# KiCad board panel-16.kicad_pcb (continued)
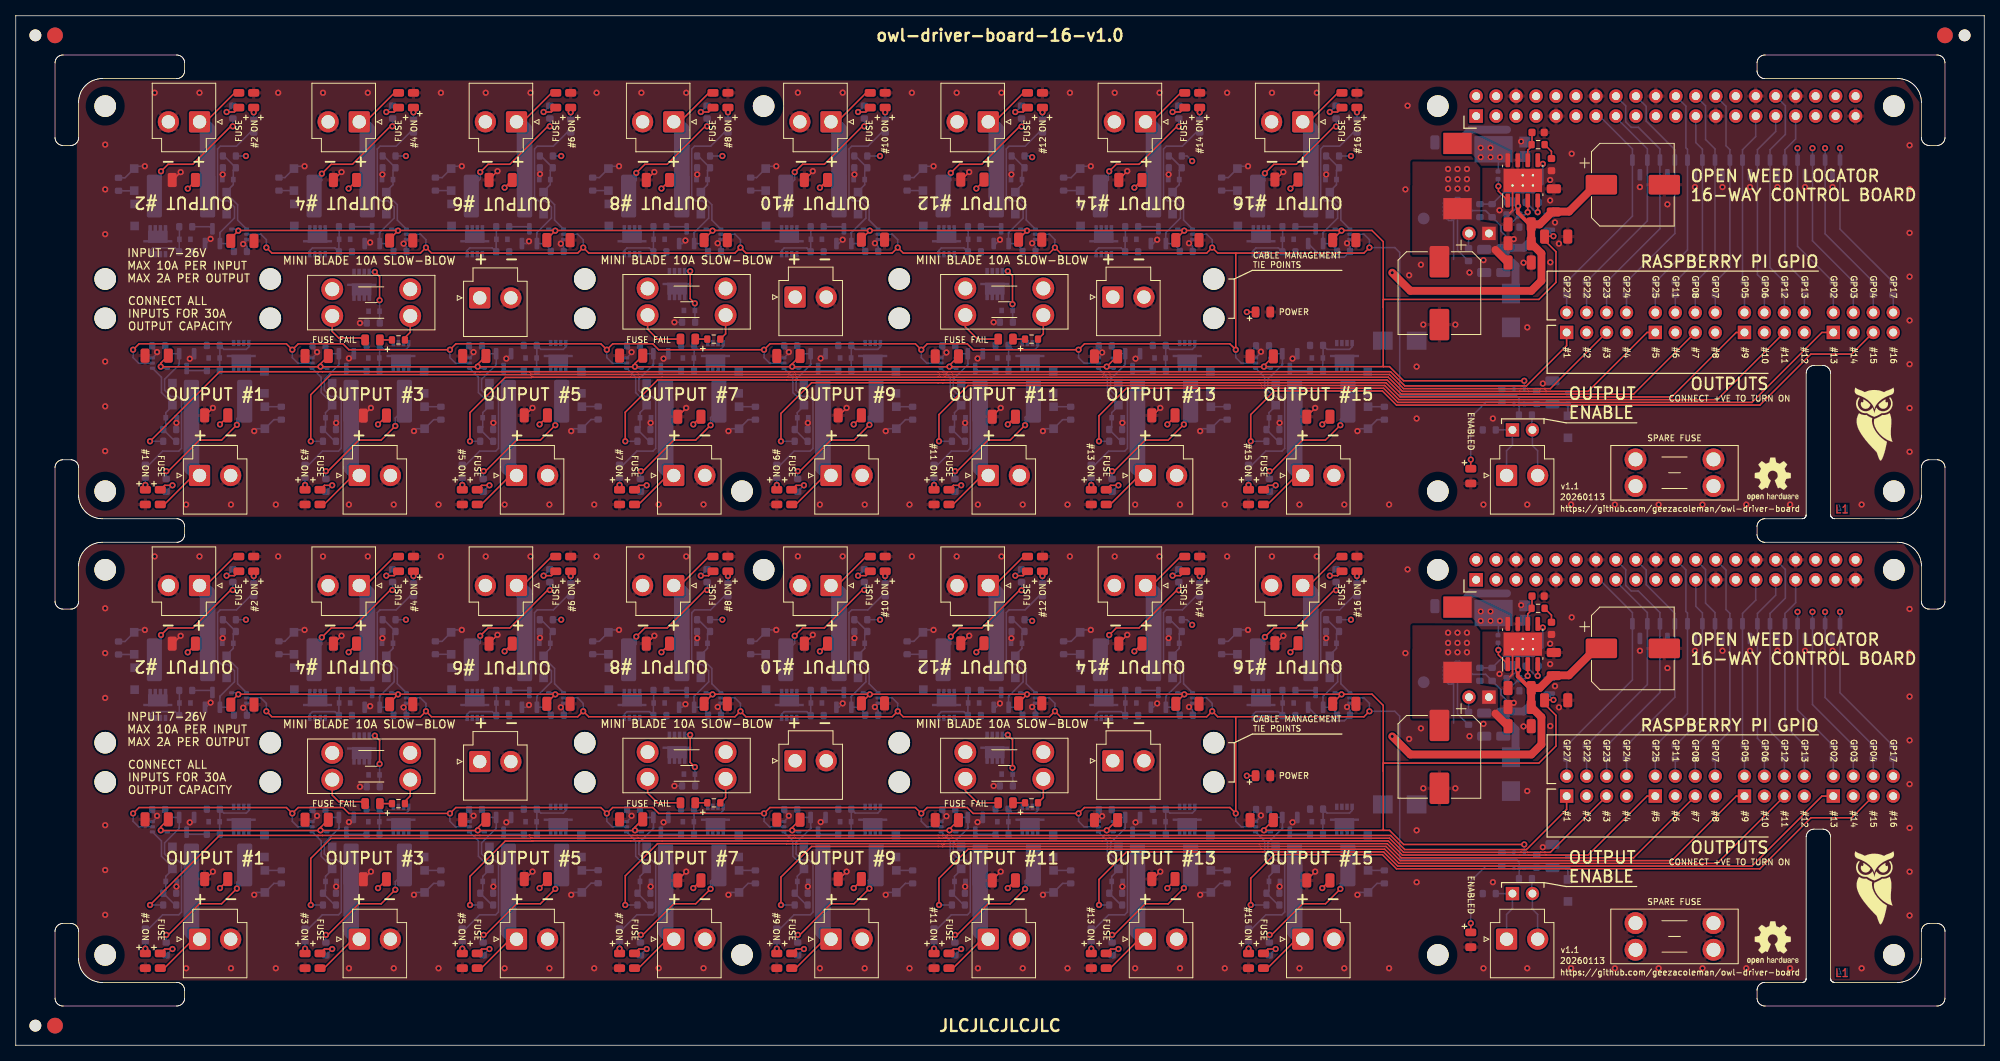
[diagram p0: board, top side]
## Routing (per net, layer and track width the routed paths; a pad name or vN(x,y) marks a point on that pad's centre or on a via; arc(x,y) is an arc through that point) (continued)
Board_0-Net-(D114-A): length 0.9
  Bottom w0.2: R131#2.1 v1(156.8,71.3)
Board_0-Net-(D118-A): length 2.8
  Top w0.2: v1(160.25,71.25) 159.26,71.25 D118.2
  Bottom w0.2: 159.55,70.55 v1(160.25,71.25)
Board_0-Net-(D119-A): length 11.2
  Bottom w0.2: 167.14,108.65 167.99,109.5 D120.1 167.99,111.33 R137#2.2 166.81,113.15 ; U22.1 168.54,105 168.54,106.95 167.14,108.35
Board_0-Net-(D121-A): length 0.9
  Bottom w0.2: R138.1 v1(170.59,118.7)
Board_0-Net-(D125-A): length 2.8
  Top w0.2: D125.2 168.12,118.75 v1(167.14,118.75)
  Bottom w0.2: 167.84,119.45 v1(167.14,118.75)
Board_0-Net-(D132-A): length 1.5
  Top w0.2: R26.1 D132#2.2
Board_0-Net-(D132-K): length 6.3
  Top w0.2: D132#2.1 122.33,89.85 120.78,91.4 F19.2
Board_0-Net-(D133-A): length 7.4
  Top w0.2: v1(126.78,94.3) 126.78,97.9 v1(126.18,98.5)
  Bottom w0.2: Q35#2.1 126.17,98.51 v1(126.18,98.5) ; D133.2 126.8,92.03 ; v1(126.78,94.3) 126.78,93.52
Board_0-Net-(J2-CE0): length 25.7
  Bottom w0.2: R33.1 216.13,99.6 D127.1 216.13,114.05 214.93,115.25 214.93,119.53 J2.24
Board_0-Net-(J2-CE1): length 25.2
  Bottom w0.2: R32.1 218.03,99 D127.2 218.03,113.95 217.53,114.45 217.53,119.47 J2.26
Board_0-Net-(J2-GP5): length 21.6
  Bottom w0.2: J2.29 221.31,115.63 219.63,113.95 D131.1 219.63,97.36
Board_0-Net-(J2-GP6): length 22.5
  Bottom w0.2: R145#2.1 221.53,98.06 D131.2 221.53,113.95 223.85,116.27 J2.31
Board_0-Net-(J2-GP12): length 25.7
  Bottom w0.2: R144#2.1 223.13,98.96 D130#2.1 223.13,113.95 225.08,115.9 225.08,119.54 J2.32
Board_0-Net-(J2-GP13): length 22.7
  Bottom w0.2: J2.33 226.39,115.31 225.03,113.95 D130#2.2 225.03,99.66 R143.1
Board_0-Net-(J2-GP22): length 25.8
  Bottom w0.2: R29.1 207.53,104.9 D34#2.2 207.53,114.05 203.53,118.05
Board_0-Net-(J2-GP23): length 29.3
  Bottom w0.2: J2.16 204.78,119.52 204.78,117.5 205.48,116.8 206.38,116.8 209.13,114.05 D35#2.1 209.13,103.9 R30.1
Board_0-Net-(J2-GP24): length 28.3
  Bottom w0.2: R31.1 211.03,103.3 D35#2.2 211.03,113.95 207.38,117.6 207.38,119.46 J2.18
Board_0-Net-(J2-GP25): length 25.9
  Bottom w0.2: R39#2.1 212.63,101.2 D126#2.1 212.63,114 212.43,114.2 212.43,119.49 J2.22
Board_0-Net-(J2-GP27): length 26.3
  Bottom w0.2: R38#2.1 205.63,105.5 D34#2.1 205.63,114.05 201.45,118.23
Board_0-Net-(J2-SCLK): length 22.9
  Bottom w0.2: J2.23 213.69,114.86 214.53,114.02 D126#2.2 214.53,100.6 R34#2.1
Board_0-Net-(J3-Pin_1): length 3
  Top w0.2: F1#2.1 50.18,90.73 49.5,90.05
Board_0-Net-(J10-Pin_1): length 8.2
  Bottom w0.2: R48#2.2 J11.1 190.37,76.4 189.62,75.65 J10#2.1
Board_0-Net-(J10-Pin_2): length 7.9
  Bottom w0.2: J11.2 192.91,76.31 193.57,75.65 193.57,72.51 ; R49#2.1 192.84,78.37
Board_0-Net-(J24-Pin_1): length 3.3
  Top w0.2: R24.2 90.29,90.53 F18.1
Board_0-Net-(J26-Pin_1): length 3.3
  Top w0.2: R26.2 130.7,90.53 F19.1
Board_0-Net-(Q4-D): length 2.7
  Bottom w0.2: R6#2.1 22,85.85 Q4#2.3
Board_0-Net-(Q4-G): length 22.7
  Bottom w0.2: U5.4 19.82,87.99 ; 19.82,87.99 19,88.81 ; 19.82,87.99 Q4#2.1 ; 20.8,86.75 20.8,86.59 ; 20.8,86.75 20.8,87.98 ; 20.8,86.75 20.8,86.61 18.94,84.75 18.94,83.35 19.74,82.55 20.59,82.55 21.09,82.05 21.09,75.95 20.74,75.6 18.69,75.6 16.94,73.85 16.51,73.85
Board_0-Net-(Q5-D): length 2.7
  Bottom w0.2: Q5#2.3 24.76,104.15 R7#2.1
Board_0-Net-(Q5-G): length 22.7
  Bottom w0.2: 30.25,116.15 29.82,116.15 28.07,114.4 26.02,114.4 25.67,114.05 25.67,107.95 26.17,107.45 27.02,107.45 27.82,106.65 27.82,105.25 25.96,103.39 25.96,103.25 ; 25.96,103.25 25.96,103.41 ; 25.96,103.25 25.96,102.02 ; U6.4 26.93,102.01 ; 26.93,102.01 Q5#2.1 ; 26.93,102.01 27.75,101.19
Board_0-Net-(Q6-D): length 2.7
  Bottom w0.2: Q6.3 42.31,85.85 R16#2.1
Board_0-Net-(Q6-G): length 22.6
  Bottom w0.2: 41.11,86.75 41.11,86.59 ; 41.11,86.75 41.11,86.61 39.25,84.75 39.25,83.35 40.05,82.55 40.9,82.55 41.4,82.05 41.4,75.95 41.05,75.6 39,75.6 37.25,73.85 36.83,73.85 ; 41.11,86.75 41.11,87.98 ; 39.4,88.72 40.14,87.99 ; 40.14,87.99 U7.4 ; 40.14,87.99 Q6.1
Board_0-Net-(Q8-D): length 2.7
  Bottom w0.2: R21.1 45.07,104.15 Q8#2.3
Board_0-Net-(Q8-G): length 22.7
  Bottom w0.2: U10#2.4 47.25,102.01 ; 47.25,102.01 Q8#2.1 ; 47.25,102.01 48.05,101.21 ; 46.27,103.25 46.27,103.39 48.14,105.25 48.14,106.65 47.34,107.45 46.49,107.45 45.99,107.95 45.99,114.05 46.34,114.4 48.39,114.4 50.14,116.15 50.56,116.15 ; 46.27,103.25 46.27,102.02 ; 46.27,103.25 46.27,103.41
Board_0-Net-(Q10-D): length 2.7
  Bottom w0.2: R64#2.1 62.31,85.85 Q10#2.3
Board_0-Net-(Q10-G): length 22.7
  Bottom w0.2: 60.14,87.99 Q10#2.1 ; 60.14,87.99 U11.4 ; 60.14,87.99 59.3,88.82 ; 56.83,73.85 57.25,73.85 59,75.6 61.05,75.6 61.4,75.95 61.4,82.05 60.9,82.55 60.05,82.55 59.25,83.35 59.25,84.75 61.11,86.61 61.11,86.75 ; 61.11,86.75 61.11,86.59 ; 61.11,86.75 61.11,87.98
Board_0-Net-(Q12-D): length 2.7
  Bottom w0.2: R71#2.1 65.07,104.15 Q12.3
Board_0-Net-(Q12-G): length 22.7
  Bottom w0.2: 67.25,102.01 Q12.1 ; 67.25,102.01 68.05,101.21 ; 67.25,102.01 U12.4 ; 66.27,103.25 66.27,103.39 68.14,105.25 68.14,106.65 67.34,107.45 66.49,107.45 65.99,107.95 65.99,114.05 66.34,114.4 68.39,114.4 70.14,116.15 70.56,116.15 ; 66.27,103.25 66.27,103.41 ; 66.27,103.25 66.27,102.02
Board_0-Net-(Q14-D): length 2.7
  Bottom w0.2: Q14#2.3 82.31,85.85 R78#2.1
Board_0-Net-(Q14-G): length 22.6
  Bottom w0.2: 81.11,86.75 81.11,86.61 79.25,84.75 79.25,83.35 80.05,82.55 80.9,82.55 81.4,82.05 81.4,75.95 81.05,75.6 79,75.6 77.25,73.85 76.83,73.85 ; 81.11,86.75 81.11,86.59 ; 81.11,86.75 81.11,87.98 ; 79.4,88.72 80.14,87.99 ; 80.14,87.99 U13.4 ; 80.14,87.99 Q14#2.1
Board_0-Net-(Q16-D): length 2.7
  Bottom w0.2: R85.1 85.07,104.15 Q16#2.3
Board_0-Net-(Q16-G): length 22.7
  Bottom w0.2: 87.25,102.01 Q16#2.1 ; 87.25,102.01 U14.4 ; 87.25,102.01 88.05,101.21 ; 86.27,103.25 86.27,103.39 88.14,105.25 88.14,106.65 87.34,107.45 86.49,107.45 85.99,107.95 85.99,114.05 86.34,114.4 88.39,114.4 90.14,116.15 90.56,116.15 ; 86.27,103.25 86.27,103.41 ; 86.27,103.25 86.27,102.02
Board_0-Net-(Q18-D): length 2.7
  Bottom w0.2: R92.1 102.31,85.85 Q18.3
Board_0-Net-(Q18-G): length 22.6
  Bottom w0.2: 99.4,88.72 100.14,87.99 ; 100.14,87.99 Q18.1 ; 100.14,87.99 U15.4 ; 101.11,86.75 101.11,86.59 ; 101.11,86.75 101.11,86.61 99.25,84.75 99.25,83.35 100.05,82.55 100.9,82.55 101.4,82.05 101.4,75.95 101.05,75.6 99,75.6 97.25,73.85 96.83,73.85 ; 101.11,86.75 101.11,87.98
Board_0-Net-(Q20-D): length 2.7
  Bottom w0.2: Q20.3 105.07,104.15 R99#2.1
Board_0-Net-(Q20-G): length 22.7
  Bottom w0.2: 106.27,103.25 106.27,103.41 ; 106.27,103.25 106.27,103.39 108.14,105.25 108.14,106.65 107.34,107.45 106.49,107.45 105.99,107.95 105.99,114.05 106.34,114.4 108.39,114.4 110.14,116.15 110.56,116.15 ; 106.27,103.25 106.27,102.02 ; 107.25,102.01 Q20.1 ; 107.25,102.01 108.05,101.21 ; 107.25,102.01 U16.4
Board_0-Net-(Q22-D): length 2.7
  Bottom w0.2: Q22#2.3 122.31,85.85 R106#2.1
Board_0-Net-(Q22-G): length 22.8
  Bottom w0.2: R104#2.2 119.5,88.62 120.14,87.99 ; 121.11,87.98 121.11,86.75 ; 121.11,86.75 121.11,86.61 119.25,84.75 119.25,83.35 120.05,82.55 120.9,82.55 121.4,82.05 121.4,75.95 121.05,75.6 119,75.6 117.25,73.85 116.83,73.85 ; 121.11,86.75 121.11,86.59 ; 120.14,87.99 Q22#2.1 ; 120.14,87.99 U17.4
Board_0-Net-(Q24-D): length 2.7
  Bottom w0.2: Q24.3 125.07,104.15 R113#2.1
Board_0-Net-(Q24-G): length 22.7
  Bottom w0.2: 126.27,103.25 126.27,103.41 ; 126.27,103.25 126.27,103.39 128.14,105.25 128.14,106.65 127.34,107.45 126.49,107.45 125.99,107.95 125.99,114.05 126.34,114.4 128.39,114.4 130.14,116.15 130.56,116.15 ; 126.27,103.25 126.27,102.02 ; U18#2.4 127.25,102.01 ; 127.25,102.01 128.05,101.21 ; 127.25,102.01 Q24.1
Board_0-Net-(Q26-D): length 2.7
  Bottom w0.2: R120#2.1 142.31,85.85 Q26#2.3
Board_0-Net-(Q26-G): length 22.6
  Bottom w0.2: U19.4 140.14,87.99 ; 140.14,87.99 139.4,88.72 ; 140.14,87.99 Q26#2.1 ; 141.11,87.98 141.11,86.75 ; 141.11,86.75 141.11,86.61 139.25,84.75 139.25,83.35 140.05,82.55 140.9,82.55 141.4,82.05 141.4,75.95 141.05,75.6 139,75.6 137.25,73.85 136.83,73.85 ; 141.11,86.75 141.11,86.59
Board_0-Net-(Q28-D): length 2.7
  Bottom w0.2: Q28#2.3 145.07,104.15 R127.1
Board_0-Net-(Q28-G): length 22.7
  Bottom w0.2: 148.05,101.21 147.25,102.01 ; 147.25,102.01 Q28#2.1 ; 147.25,102.01 U20.4 ; 146.27,102.02 146.27,103.25 ; 146.27,103.25 146.27,103.39 148.14,105.25 148.14,106.65 147.34,107.45 146.49,107.45 145.99,107.95 145.99,114.05 146.34,114.4 148.39,114.4 150.14,116.15 150.56,116.15 ; 146.27,103.25 146.27,103.41
Board_0-Net-(Q30-D): length 2.7
  Bottom w0.2: R134#2.1 162.31,85.85 Q30#2.3
Board_0-Net-(Q30-G): length 22.6
  Bottom w0.2: 159.4,88.72 160.14,87.99 ; 160.14,87.99 U21#2.4 ; 160.14,87.99 Q30#2.1 ; 161.11,87.98 161.11,86.75 ; 161.11,86.75 161.11,86.61 159.25,84.75 159.25,83.35 160.05,82.55 160.9,82.55 161.4,82.05 161.4,75.95 161.05,75.6 159,75.6 157.25,73.85 156.83,73.85 ; 161.11,86.75 161.11,86.59
Board_0-Net-(Q32-D): length 2.7
  Bottom w0.2: Q32#2.3 165.07,104.15 R141#2.1
Board_0-Net-(Q32-G): length 22.7
  Bottom w0.2: 166.27,103.25 166.27,103.41 ; 166.27,103.25 166.27,102.02 ; 166.27,103.25 166.27,103.39 168.14,105.25 168.14,106.65 167.34,107.45 166.49,107.45 165.99,107.95 165.99,114.05 166.34,114.4 168.39,114.4 170.14,116.15 170.56,116.15 ; 167.25,102.01 Q32#2.1 ; 167.25,102.01 168.05,101.21 ; 167.25,102.01 U22.4
Board_0-Net-(R55-Pad2): length 1.5
  Bottom w0.2: U8#2.4 189.04,83.5
Board_0-Net-(U3-EN): length 6.3
  Bottom w0.2: U3.1 183.38,101.18 R46.1
Board_0-PI1: length 2.2
  Bottom w0.2: J6.2 197.26,95.48
Board_0-PI2: length 2.2
  Bottom w0.2: J6.4 199.8,95.44
Board_0-PI3: length 2.2
  Bottom w0.2: J6.6 202.34,95.46
Board_0-PI4: length 2.2
  Bottom w0.2: J6.8 204.88,95.46
Board_0-PI5: length 2.2
  Bottom w0.2: J25.2 208.54,95.46
Board_0-PI6: length 2.2
  Bottom w0.2: J25.4 211.08,95.46
Board_0-PI7: length 2.2
  Bottom w0.2: J25.6 213.62,95.44
Board_0-PI8: length 2.2
  Bottom w0.2: J25.8 216.16,95.48
Board_0-PI9: length 2.2
  Bottom w0.2: J27#2.2 219.88,95.46
Board_0-PI10: length 2.2
  Bottom w0.2: J27#2.4 222.42,95.44
Board_0-PI11: length 2.2
  Bottom w0.2: J27#2.6 224.96,95.48
Board_0-PI12: length 2.2
  Bottom w0.2: J27#2.8 227.5,95.42
Board_0-PI13: length 2.2
  Bottom w0.2: J29.2 231.18,95.46
Board_0-PI14: length 2.2
  Bottom w0.2: J29.4 233.72,95.44
Board_0-PI15: length 2.2
  Bottom w0.2: J29.6 236.26,95.48
Board_0-PI16: length 2.2
  Bottom w0.2: J29.8 238.8,95.44
Board_0-VCC: length 67.9
  Top w0.2: C11.1 v1(62.18,109.13) ; 83.1,109.99 v1(82.13,109.01) ; C15#2.1 v1(86.18,79) ; C1.1 v1(166.18,79) ; 107.58,80 v1(106.58,79) ; v1(102.28,109.13) C16#2.1 ; 147.48,80 v1(146.48,79) ; C12#2.1 v1(142.28,109.13) ; C3#2.1 v1(126.18,79) ; 26.98,80 v1(25.98,79) ; 163.1,109.99 v1(162.13,109.01) ; 47.08,80 v1(46.08,79) ; 123.15,109.99 v1(122.18,109.01) ; 43.32,109.99 v1(42.34,109.01) ; 67.63,80 v1(66.63,79) ; 22.85,109.98 v1(21.88,109)
  Top w0.5: U1#2.2 191.04,105.96 192.55,104.45 C6.1
  Top w1: 195.5,106.03 195.4,106.03 193.83,104.45 C6.1 C18#2.1 194.05,100.75 194.05,97.28 192.78,96 177.38,96 v1(175.08,98.3) ; C8.1 200.98,109.5 197.55,106.08 195.58,106.08 C5.1
  Bottom w0.2: v1(191.09,106.77) 189.96,105.65 R41.2
  Bottom w0.5: 190.58,107.28 v1(191.09,106.77)
Board_1-+3V3: length 412.5
  Top w0.2: v1(195.58,43.95) 194.5,43.95 C30.1 194.45,43.43 195.9,41.98 195.9,38.08 193.73,35.9 173.93,35.9 173.93,34.9 ; 173.98,27.35 174.73,27.35 176.53,25.55 v1(191.87,25.55) ; 173.98,27.35 173.93,27.4 173.93,34.9 ; 173.98,27.35 v1(158.76,27.35) ; v1(68.63,44.65) 67.55,43.58 C35.1 ; v1(68.63,44.65) 68.65,44.68 88.6,44.68 v1(88.63,44.65) ; v1(68.63,44.65) 68.6,44.68 48.65,44.68 v1(48.63,44.65) ; C37#2.1 87.55,43.58 v1(88.63,44.65) ; C31#2.1 27.35,43.69 v1(28.31,44.65) 28.34,44.68 48.6,44.68 v1(48.63,44.65) ; v1(38.76,27.35) 38.79,27.32 58.73,27.32 v1(58.76,27.35) ; v1(38.76,27.35) 38.73,27.32 18.47,27.32 v1(18.45,27.35) 18.45,27.79 C29.1 ; v1(38.76,27.35) 38.76,27.71 C32.1 ; C36.1 78.76,27.76 v1(78.76,27.35) ; v1(148.63,44.65) 147.55,43.58 C43.1 ; v1(148.63,44.65) 148.6,44.68 128.65,44.68 v1(128.63,44.65) ; v1(148.63,44.65) 148.65,44.68 168.6,44.68 v1(168.63,44.65) ; v1(48.63,44.65) 47.55,43.58 C33#2.1 ; C38.1 98.76,27.71 v1(98.76,27.35) ; C41.1 127.55,43.58 v1(128.63,44.65) ; C39.1 107.55,43.58 v1(108.63,44.65) ; v1(138.76,27.35) 138.79,27.32 158.73,27.32 v1(158.76,27.35) ; v1(138.76,27.35) 138.73,27.32 118.79,27.32 v1(118.76,27.35) ; v1(138.76,27.35) 140.06,28.65 C42#2.1 ; v1(158.76,27.35) 158.76,27.46 C44.1 ; v1(108.63,44.65) 108.65,44.68 128.6,44.68 v1(128.63,44.65) ; v1(108.63,44.65) 108.6,44.68 88.65,44.68 v1(88.63,44.65) ; v1(58.76,27.35) 58.79,27.32 78.73,27.32 v1(78.76,27.35) ; v1(58.76,27.35) 58.76,27.66 C34.1 ; 173.93,34.9 173.93,43.25 172.5,44.68 168.65,44.68 v1(168.63,44.65) ; v1(78.76,27.35) 78.79,27.32 98.73,27.32 v1(98.76,27.35) ; C45#2.1 167.5,43.53 v1(168.63,44.65) ; v1(118.76,27.35) 118.76,27.51 C40#2.1 ; v1(118.76,27.35) 118.73,27.32 98.79,27.32 v1(98.76,27.35)
  Bottom w0.2: U20#2.5 148.43,44.85 v1(148.63,44.65) ; v1(138.76,27.35) 138.96,27.15 U19#2.5 ; U5#2.5 18.65,27.15 v1(18.45,27.35) ; U15#2.5 98.96,27.15 v1(98.76,27.35) ; U17#2.5 118.96,27.15 v1(118.76,27.35) ; v1(28.31,44.65) 28.11,44.85 U6#2.5 ; v1(191.87,25.55) U8.5 ; v1(78.76,27.35) 78.96,27.15 U13#2.5 ; U21.5 158.96,27.15 v1(158.76,27.35) ; U11#2.5 58.96,27.15 v1(58.76,27.35) ; v1(48.63,44.65) 48.43,44.85 U10.5 ; v1(108.63,44.65) 108.43,44.85 U16#2.5 ; v1(88.63,44.65) 88.43,44.85 U14#2.5 ; v1(195.58,43.95) 195.05,44.48 U9.2 ; v1(38.76,27.35) 38.96,27.15 U7#2.5 ; U18.5 128.43,44.85 v1(128.63,44.65) ; v1(168.63,44.65) 168.43,44.85 U22#2.5 ; U12#2.5 68.43,44.85 v1(68.63,44.65)
Board_1-+5V: length 15.6
  Top w1: C14#2.1 188.2,42.2
  Bottom w0.2: U9.3 192.38,44.9 192.38,43.04
  Bottom w1: 188.78,42.48 191.82,42.48 192.38,43.04 ; 189.2,42.28 189.2,41.74 190.75,40.19 190.75,37.23 D16.1
  vias: v1(182.18,52.5) v1(182.18,51.2) v1(182.18,50) v1(183.38,52.5) v1(183.38,51.2) v1(183.38,50) v1(184.58,52.5) v1(184.58,51.2) v1(184.58,50)
Board_1-/BOOT: length 3.2
  Top w0.2: v1(188.58,50.3) 188.58,49.68 U1.1
  Bottom w0.2: C17.1 188.58,51.17 v1(188.58,50.3)
Board_1-/COMP: length 3.5
  Top w0.2: 192.78,55.35 192.31,54.89 U1.6 ; C22.1 192.85,55.65 R44.1
Board_1-/EN: length 5.2
  Top w0.2: U1.3 192.31,46.71
  Bottom w0.2: 189.7,45.1 R41#2.1 191.95,46.65 v1(192.3,47)
Board_1-/Output chain 1/DRAIN: length 15.8
  Top w0.2: v1(28.13,19.95) 26.18,18 23.35,18 19.41,14.05 v1(19.16,14.05)
  Bottom w0.2: 19.13,13.08 19.13,14.02 v1(19.16,14.05) ; 28.47,21.09 28.13,20.75 v1(28.13,19.95) ; R154#2.2 D10.1
Board_1-/Output chain 1/GATE: length 7.4
  Bottom w0.2: 25.94,26.75 25.94,28.33 ; 29.66,30.1 29.66,29.88 29.34,29.55 26.46,29.55 R2.1 ; 25.96,28.35 25.96,29.95
Board_1-/Output chain 1/OUTPUT+: length 14.7
  Top w0.2: 18.9,9.81 22.34,13.25
  Bottom w2: J4.1 22.35,14.53 F2.2
Board_1-/Output chain 2/DRAIN: length 15.6
  Top w0.2: v1(18.48,52.2) 19.38,53.1 22.53,53.1 27.35,57.93 v1(27.6,57.93)
  Bottom w0.2: 27.63,58.9 27.63,57.95 v1(27.6,57.93) ; v1(18.48,52.2) 18.48,51.1 ; D11#2.1 15.05,49.73 R155.2
Board_1-/Output chain 2/GATE: length 7.4
  Bottom w0.2: 20.82,45.25 20.82,43.68 ; 17.1,41.9 17.1,42.13 17.42,42.45 20.3,42.45 R3#2.1 ; 20.8,43.65 20.8,42.05
Board_1-/Output chain 2/OUTPUT+: length 14.7
  Top w0.2: 27.85,62.19 24.42,58.76
  Bottom w2: F3.2 24.41,57.47 J5.1
Board_1-/Output chain 3/DRAIN: length 16
  Top w0.2: v1(48.28,19.8) 46.48,18 43.65,18 39.71,14.05 v1(39.46,14.05)
  Bottom w0.2: R156.2 D18#2.1 ; 39.43,13.08 39.43,14.02 v1(39.46,14.05) ; 48.77,21.31 48.28,20.82 v1(48.28,19.8)
Board_1-/Output chain 3/GATE: length 7.4
  Bottom w0.2: 46.28,28.35 46.28,29.95 ; 49.98,30.1 49.98,29.88 49.65,29.55 46.78,29.55 R15#2.1 ; 46.25,26.75 46.25,28.33
Board_1-/Output chain 3/OUTPUT+: length 14.7
  Top w0.2: 39.22,9.81 42.65,13.25
  Bottom w2: F4#2.2 42.66,14.53 J7.1
Board_1-/Output chain 4/DRAIN: length 15.7
  Top w0.2: v1(47.9,57.93) 47.65,57.93 42.83,53.1 40.13,53.1 v1(38.93,51.9)
  Bottom w0.2: 38.59,50.71 38.93,51.05 v1(38.93,51.9) ; R157.2 D23.1 ; 47.93,58.9 47.93,57.95 v1(47.9,57.93)
Board_1-/Output chain 4/GATE: length 7.4
  Bottom w0.2: R20.1 40.61,42.45 37.74,42.45 37.41,42.13 37.41,41.9 ; 41.11,43.65 41.11,42.05 ; 41.14,45.25 41.14,43.68
Board_1-/Output chain 4/OUTPUT+: length 14.7
  Top w0.2: 48.17,62.19 44.74,58.76
  Bottom w2: F5#2.2 44.72,57.47 J8#2.1
Board_1-/Output chain 5/DRAIN: length 15.7
  Top w0.2: v1(68.63,19.9) 66.73,18 63.7,18 59.76,14.05 v1(59.51,14.05)
  Bottom w0.2: 68.82,20.94 68.63,20.75 v1(68.63,19.9) ; 59.48,13.08 59.48,14.02 v1(59.51,14.05) ; 74.08,22.28 72.03,22.28 D28#2.1
Board_1-/Output chain 5/GATE: length 7.4
  Bottom w0.2: 66.25,26.75 66.25,28.33 ; 66.28,28.35 66.28,29.95 ; R52#2.1 66.78,29.55 69.65,29.55 69.98,29.88 69.98,30.1
Board_1-/Output chain 5/OUTPUT+: length 14.7
  Top w0.2: 59.22,9.81 62.65,13.25
  Bottom w2: J12.1 62.66,14.53 F6#2.2
Board_1-/Output chain 6/DRAIN: length 15.8
  Top w0.2: v1(67.93,57.93) 67.68,57.93 62.85,53.1 60.08,53.1 v1(59.08,52.1)
  Bottom w0.2: v1(59.08,52.1) 59.08,51.2 58.62,50.74 ; v1(67.93,57.93) 67.96,57.95 67.96,58.9 ; R159.2 D54#2.1
Board_1-/Output chain 6/GATE: length 7.4
  Bottom w0.2: R70#2.1 60.61,42.45 57.74,42.45 57.41,42.13 57.41,41.9 ; 61.14,45.25 61.14,43.68 ; 61.11,43.65 61.11,42.05
Board_1-/Output chain 6/OUTPUT+: length 14.7
  Top w0.2: 68.17,62.19 64.74,58.76
  Bottom w2: J13.1 64.72,57.47 F7#2.2
Board_1-/Output chain 7/DRAIN: length 16
  Top w0.2: v1(88.38,19.9) 86.48,18 83.7,18 79.76,14.05 v1(79.51,14.05)
  Bottom w0.2: v1(88.38,19.9) 88.38,20.87 88.82,21.31 ; R160#2.2 D61.1 ; v1(79.51,14.05) 79.48,14.02 79.48,13.08
Board_1-/Output chain 7/GATE: length 7.4
  Bottom w0.2: R77.1 86.78,29.55 89.65,29.55 89.98,29.88 89.98,30.1 ; 86.25,26.75 86.25,28.33 ; 86.28,28.35 86.28,29.95
Board_1-/Output chain 7/OUTPUT+: length 14.7
  Top w0.2: 79.22,9.81 82.65,13.25
  Bottom w2: J14#2.1 82.66,14.53 F8.2
Board_1-/Output chain 8/DRAIN: length 15.8
  Top w0.2: v1(87.93,57.93) 87.68,57.93 82.85,53.1 80.03,53.1 v1(78.93,52)
  Bottom w0.2: 78.62,50.74 78.93,51.05 v1(78.93,52) ; v1(87.93,57.93) 87.96,57.95 87.96,58.9 ; R161#2.2 D68.1
Board_1-/Output chain 8/GATE: length 7.4
  Bottom w0.2: 81.11,43.65 81.11,42.05 ; R84#2.1 80.61,42.45 77.74,42.45 77.41,42.13 77.41,41.9 ; 81.14,45.25 81.14,43.68
Board_1-/Output chain 8/OUTPUT+: length 14.7
  Top w0.2: 88.17,62.19 84.74,58.76
  Bottom w2: F9.2 84.72,57.47 J15.1
Board_1-/Output chain 9/DRAIN: length 16.2
  Top w0.2: v1(99.48,14.05) 99.73,14.05 103.68,18 106.63,18 v1(108.58,19.95)
  Bottom w0.2: R162#2.2 D75.1 ; v1(108.58,19.95) 108.43,20.1 108.43,20.95 108.79,21.31 ; v1(99.48,14.05) 99.45,14.02 R93.2
Board_1-/Output chain 9/GATE: length 7.4
  Bottom w0.2: 109.98,30.1 109.98,29.88 109.65,29.55 106.78,29.55 R91#2.1 ; 106.25,26.75 106.25,28.33 ; 106.28,28.35 106.28,29.95
Board_1-/Output chain 9/OUTPUT+: length 14.7
  Top w0.2: 99.22,9.81 102.65,13.25
  Bottom w2: J16#2.1 102.66,14.53 F10.2
Board_1-/Output chain 10/DRAIN: length 15.8
  Top w0.2: v1(107.93,57.93) 107.68,57.93 102.85,53.1 100.08,53.1 v1(99.08,52.1)
  Bottom w0.2: R163.2 D82.1 ; 107.96,58.9 107.96,57.95 v1(107.93,57.93) ; v1(99.08,52.1) 99.08,51.15 98.62,50.69
Board_1-/Output chain 10/GATE: length 7.4
  Bottom w0.2: 97.41,41.9 97.41,42.13 97.74,42.45 100.61,42.45 R98.1 ; 101.11,43.65 101.11,42.05 ; 101.14,45.25 101.14,43.68
Board_1-/Output chain 10/OUTPUT+: length 14.7
  Top w0.2: 108.17,62.19 104.74,58.76
  Bottom w2: J17#2.1 104.72,57.47 F11#2.2
Board_1-/Output chain 11/DRAIN: length 16.1
  Top w0.2: v1(119.48,14.05) 119.73,14.05 123.68,18 126.48,18 v1(128.38,19.9)
  Bottom w0.2: v1(119.48,14.05) 119.45,14.02 R107#2.2 ; v1(128.38,19.9) 128.38,20.9 128.79,21.31 ; R164#2.2 D89#2.1
Board_1-/Output chain 11/GATE: length 7.4
  Bottom w0.2: 129.98,30.1 129.98,29.88 129.65,29.55 126.78,29.55 R105#2.1 ; 126.28,28.35 126.28,29.95 ; 126.25,26.75 126.25,28.33
Board_1-/Output chain 11/OUTPUT+: length 14.7
  Top w0.2: 119.22,9.81 122.65,13.25
  Bottom w2: J18#2.1 122.66,14.53 F12.2
Board_1-/Output chain 12/DRAIN: length 15.8
  Top w0.2: v1(127.93,57.9) 127.68,57.9 122.88,53.1 120.03,53.1 v1(118.93,52)
  Bottom w0.2: 127.96,58.88 127.96,57.93 v1(127.93,57.9) ; v1(118.93,52) 118.93,51.05 118.62,50.74 ; R165#2.2 D96.1
Board_1-/Output chain 12/GATE: length 7.4
  Bottom w0.2: 121.11,43.65 121.11,42.05 ; R112#2.1 120.61,42.45 117.74,42.45 117.41,42.13 117.41,41.9 ; 121.14,45.25 121.14,43.68
Board_1-/Output chain 12/OUTPUT+: length 14.7
  Top w0.2: 128.17,62.19 124.74,58.76
  Bottom w2: F13#2.2 124.72,57.47 J19.1
Board_1-/Output chain 13/DRAIN: length 16
  Top w0.2: v1(139.46,14.05) 139.71,14.05 143.66,18 146.58,18 v1(148.58,20)
  Bottom w0.2: v1(148.58,20) 148.58,21.12 148.79,21.33 ; R166#2.2 D103#2.1 ; 139.43,13.08 139.43,14.02
Board_1-/Output chain 13/GATE: length 7.4
  Bottom w0.2: 146.25,26.75 146.25,28.33 ; 149.98,30.1 149.98,29.88 149.65,29.55 146.78,29.55 R119#2.1 ; 146.28,28.35 146.28,29.95
Board_1-/Output chain 13/OUTPUT+: length 14.7
  Top w0.2: 139.22,9.81 142.65,13.25
  Bottom w2: J20#2.1 142.66,14.53 F14#2.2
Board_1-/Output chain 14/DRAIN: length 16
  Top w0.2: v1(139.08,52.2) 139.98,53.1 142.88,53.1 147.68,57.9 v1(147.93,57.9)
  Bottom w0.2: 147.96,58.88 147.96,57.93 v1(147.93,57.9) ; v1(139.08,52.2) 138.98,52.1 138.98,51.1 138.62,50.74 ; R167#2.2 D110.1
Board_1-/Output chain 14/GATE: length 7.4
  Bottom w0.2: 141.14,45.25 141.14,43.68 ; 141.11,43.65 141.11,42.05 ; R126.1 140.61,42.45 137.74,42.45 137.41,42.13 137.41,41.9
Board_1-/Output chain 14/OUTPUT+: length 14.7
  Top w0.2: 148.17,62.19 144.74,58.76
  Bottom w2: F15#2.2 144.72,57.47 J21#2.1
Board_1-/Output chain 15/DRAIN: length 15.6
  Top w0.2: v1(159.48,14.05) 159.73,14.05 163.68,18 166.58,18 v1(168.48,19.9)
  Bottom w0.2: R168#2.2 D117.1 ; R135#2.2 159.45,14.02 v1(159.48,14.05) ; 168.79,20.91 168.48,20.6 v1(168.48,19.9)
Board_1-/Output chain 15/GATE: length 7.4
  Bottom w0.2: R133.1 166.78,29.55 169.65,29.55 169.98,29.88 169.98,30.1 ; 166.25,26.75 166.25,28.33 ; 166.28,28.35 166.28,29.95
Board_1-/Output chain 15/OUTPUT+: length 14.7
  Top w0.2: 159.22,9.81 162.65,13.25
  Bottom w2: J22#2.1 162.66,14.53 F16#2.2
Board_1-/Output chain 16/DRAIN: length 15.8
  Top w0.2: v1(158.88,51.95) 160.03,53.1 162.88,53.1 167.68,57.9 v1(167.93,57.9)
  Bottom w0.2: v1(158.88,51.95) 158.88,51 158.62,50.74 ; 167.96,58.88 167.96,57.93 v1(167.93,57.9) ; R169.2 D124.1
Board_1-/Output chain 16/GATE: length 7.4
  Bottom w0.2: R140#2.1 160.61,42.45 157.74,42.45 157.41,42.13 157.41,41.9 ; 161.14,45.25 161.14,43.68 ; 161.11,43.65 161.11,42.05
Board_1-/Output chain 16/OUTPUT+: length 14.7
  Top w0.2: 168.17,62.19 164.74,58.76
  Bottom w2: F17#2.2 164.72,57.47 J23.1
Board_1-/PI13_GPIO: length 59.7
  In1.Cu w0.2: 188.29,58.44 J2#2.3 190.12,57.4 191.53,57.4 193.03,55.9 225.88,55.9 v1(226.63,55.15)
  Bottom w0.2: v1(226.63,55.15) D128#2.1 226.63,42.66 R40.1
Board_1-/PI14_GPIO: length 58.6
  In1.Cu w0.2: v1(228.53,55.15) 227.43,56.25 193.81,56.25 J2#2.5
  Bottom w0.2: v1(228.53,55.15) D128#2.2 228.53,43.36 R37.1
Board_1-/PI15_GPIO: length 58
  In1.Cu w0.2: J2#2.7 196,56.6 228.68,56.6 v1(230.13,55.15)
  Bottom w0.2: v1(230.13,55.15) D129#2.1 230.13,44.26 R36.1
Board_1-/PI16_GPIO: length 55.1
  In1.Cu w0.2: J2#2.11 200.73,56.95 230.23,56.95 v1(232.03,55.15)
  Bottom w0.2: v1(232.03,55.15) D129#2.2 232.03,44.86 R35.1
Board_1-/PI_5V0_P: length 1.8
  Bottom w0.2: R46#2.2 184.78,44.24
Board_1-/SS: length 3.5
  Top w0.2: v1(193.58,47) 193.58,47.01 U1.4
  Bottom w0.2: C24#2.1 193.35,47 v1(193.58,47)
Board_1-/SW: length 3.1
  Bottom w0.2: C17.2 188.58,52.23 188.58,54.38 D36#2.1
  vias: v1(186.33,55.2) v1(186.33,54) v1(187.58,55.2) v1(187.58,54) v1(188.78,54)
Board_1-/VSENSE: length 12.5
  Top w0.2: v1(194.23,53.15) 194.05,53.15 U1.5
  Bottom w0.2: v1(194.23,53.15) 194.23,50.6 193.13,49.5 189.25,49.5 R45.2 R42.1
Board_1-ENABLE: length 409.4
  Top w0.2: 155.18,41.8 171.48,41.8 v1(172.18,42.5) ; 155.18,41.8 v1(155.18,29.5) 154.43,30.25 135.93,30.25 v1(135.18,29.5) 121.78,29.5 121.03,30.25 115.93,30.25 v1(115.18,29.5) 114.43,30.25 95.93,30.25 v1(95.18,29.5) 81.78,29.5 81.03,30.25 75.93,30.25 v1(75.18,29.5) 74.43,30.25 55.98,30.25 v1(55.23,29.5) 42.38,29.5 41.63,30.25 35.93,30.25 v1(35.18,29.5) 34.43,30.25 15.68,30.25 v1(14.93,29.5) ; 155.18,41.8 152.88,41.8 v1(152.18,42.5) 151.48,41.8 132.88,41.8 v1(132.18,42.5) 131.48,41.8 112.88,41.8 v1(112.18,42.5) 111.48,41.8 92.88,41.8 v1(92.18,42.5) 91.48,41.8 72.88,41.8 v1(72.18,42.5) 71.48,41.8 52.88,41.8 v1(52.18,42.5) 51.48,41.8 32.58,41.8 v1(31.88,42.5)
  Bottom w0.2: v1(152.18,42.5) 152.18,43.5 151.48,44.2 149.67,44.2 ; v1(95.18,29.5) 95.18,28.5 95.88,27.8 97.69,27.8 ; 169.67,44.2 171.48,44.2 172.18,43.5 v1(172.18,42.5) 175.4,42.5 176.03,41.88 176.03,23.65 190.88,23.65 191.22,23.31 U8.2 ; 77.69,27.8 75.88,27.8 75.18,28.5 v1(75.18,29.5) ; 17.44,27.8 15.63,27.8 14.93,28.5 v1(14.93,29.5) ; 157.69,27.8 155.88,27.8 155.18,28.5 v1(155.18,29.5) ; v1(112.18,42.5) 112.18,43.5 111.48,44.2 109.67,44.2 ; 49.67,44.2 51.48,44.2 52.18,43.5 v1(52.18,42.5) ; 89.67,44.2 91.48,44.2 92.18,43.5 v1(92.18,42.5) ; v1(135.18,29.5) 135.18,28.5 135.88,27.8 137.69,27.8 ; 193.39,22.6 U8.1 U8.2 ; v1(31.88,42.5) 31.88,43.5 31.18,44.2 U6#2.2 ; U8.2 191.22,21.23 ; v1(132.18,42.5) 132.18,43.5 131.48,44.2 129.67,44.2 ; v1(35.18,29.5) 35.18,28.5 35.88,27.8 37.69,27.8 ; v1(55.23,29.5) 55.23,28.5 55.93,27.8 57.74,27.8 ; v1(72.18,42.5) 72.18,43.5 71.48,44.2 69.67,44.2 ; 117.69,27.8 115.88,27.8 115.18,28.5 v1(115.18,29.5) ; D40.2 D39.1 C25.1 R47.1
